# Allegro board C000PC009-HI3516DV300-CORE-A-A01.brd (continued)
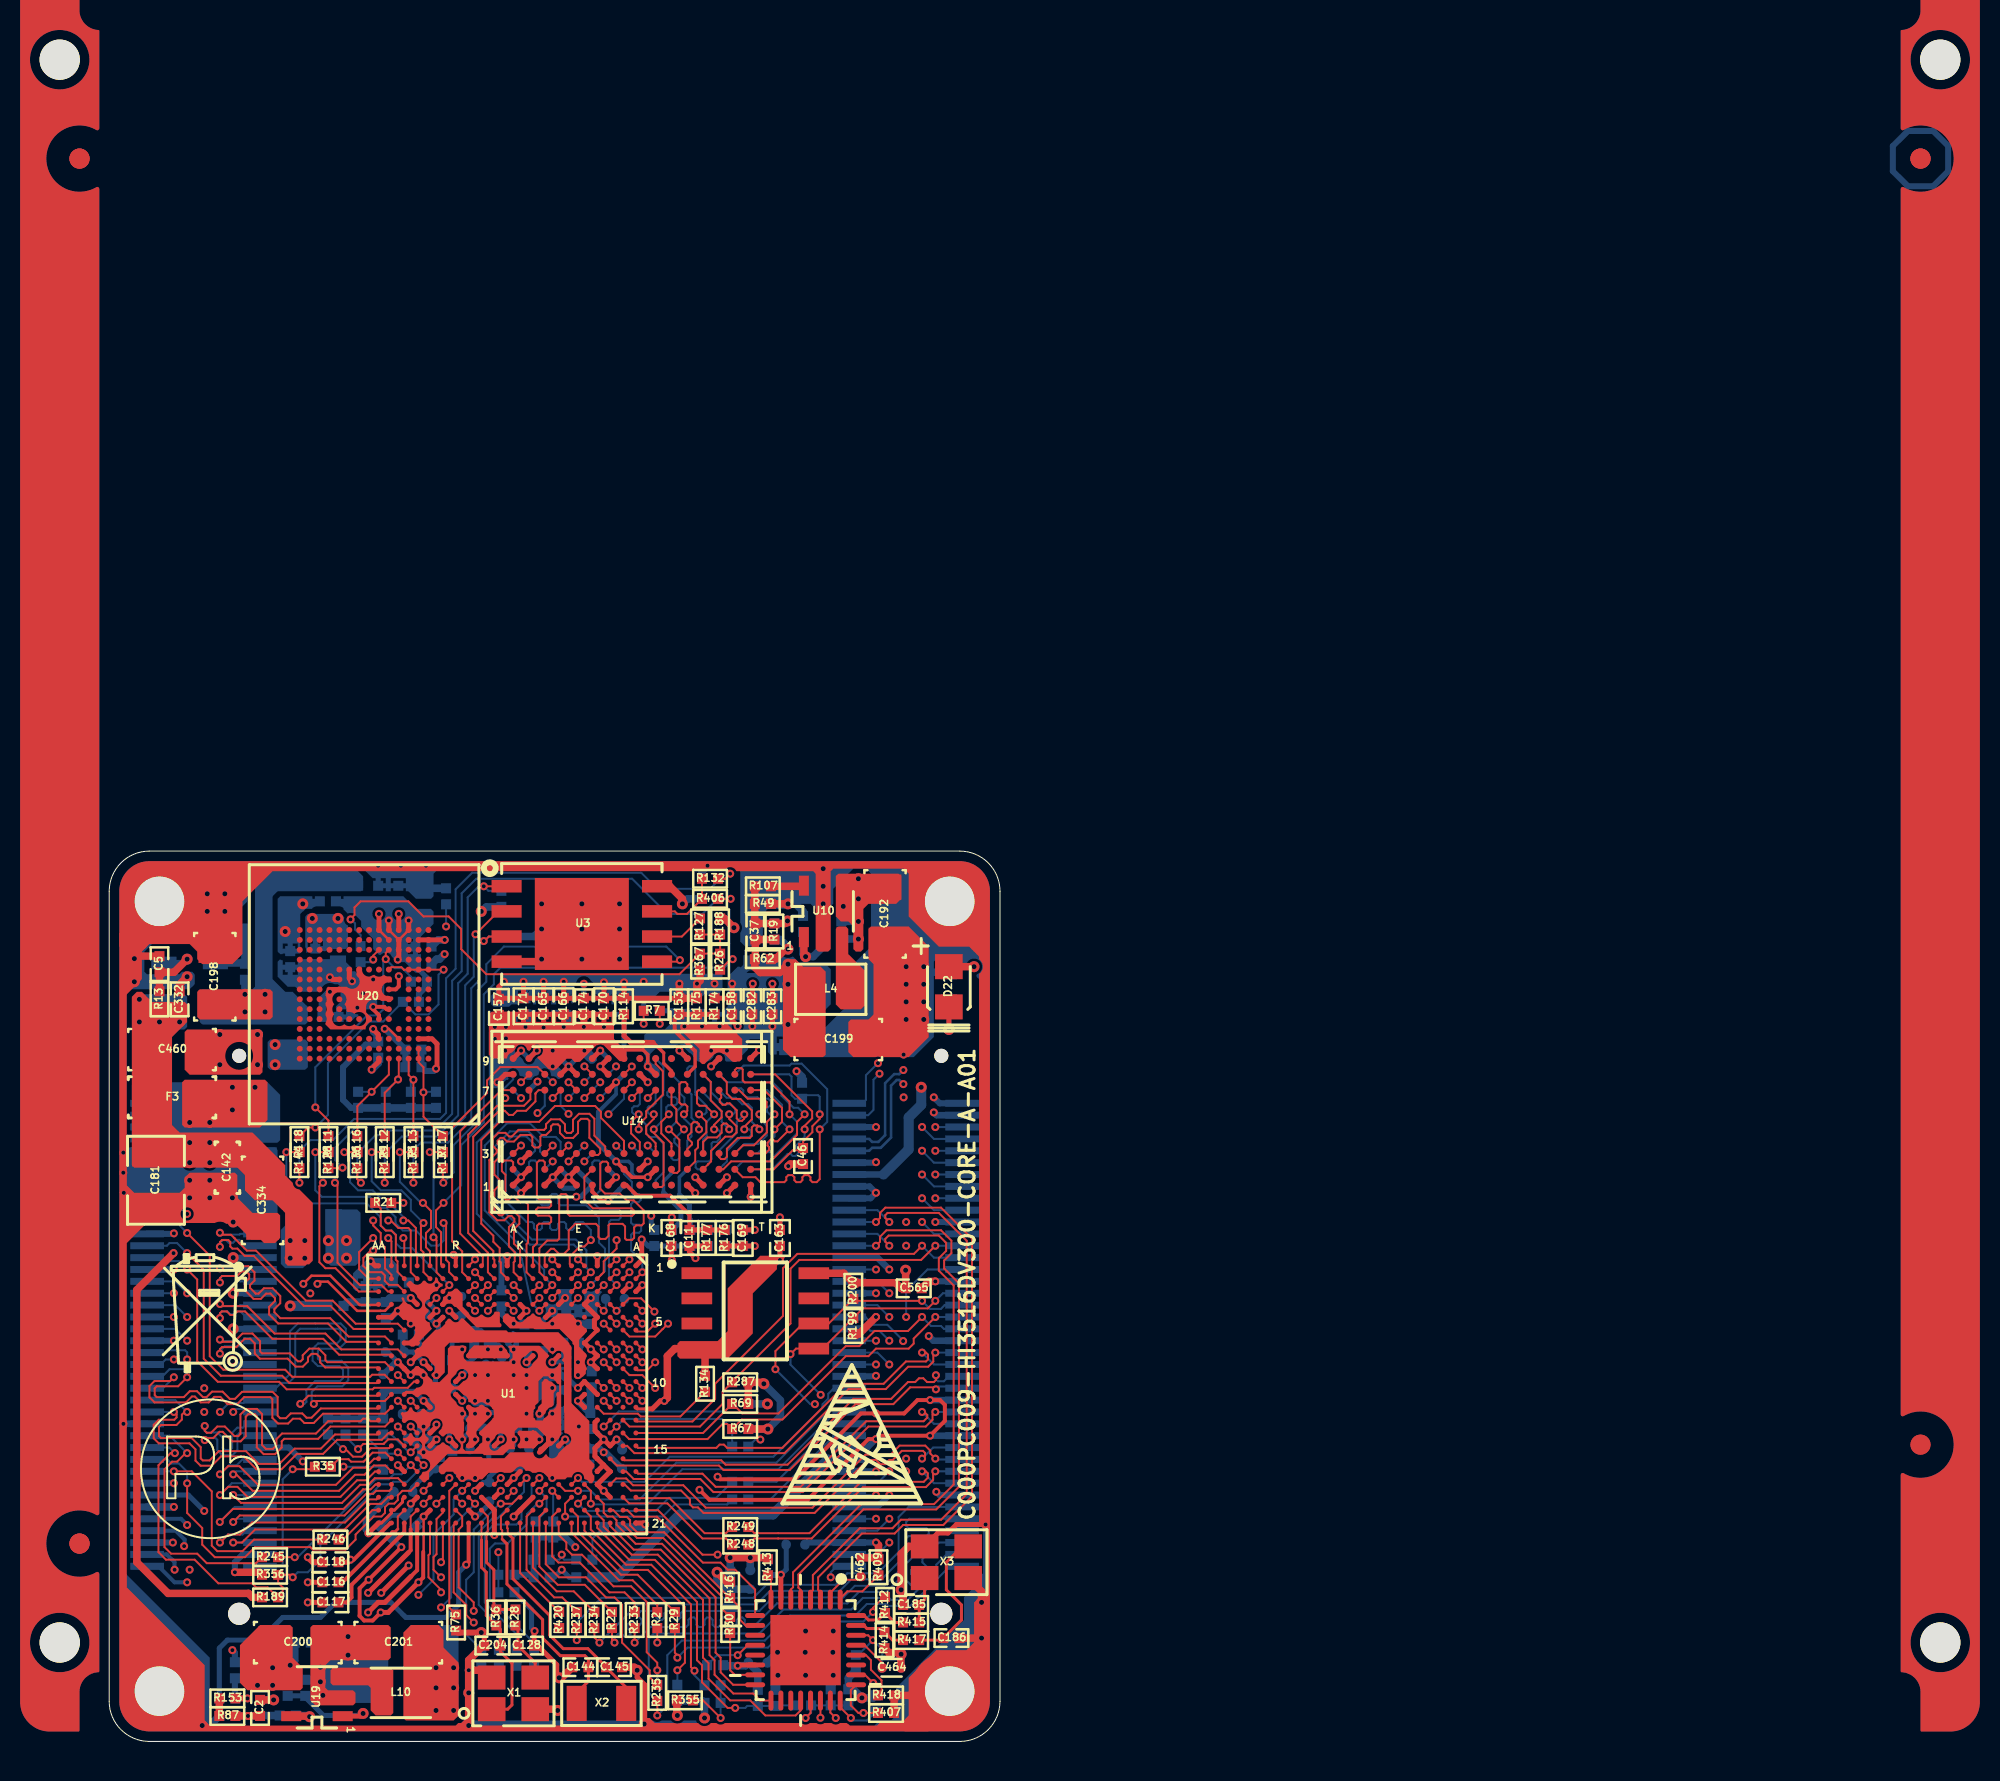
[diagram p0: board, top side]
## Routing (per net, layer and track width the routed paths; a pad name or vN(x,y) marks a point on that pad's centre or on a via; arc(x,y) is an arc through that point) (continued)
  BOTTOM w0.102: J1.46 38.81,22.05 v1(39.41,21.45) ; R195.1 22.1,11.68 22.1,12.3 v1(21.73,12.66)
I2C7_SDA: length 32.7
  TOP w0.102: v1(22.38,12.67) 22.39,12.65 U1.G19
  ART03 w0.102: v1(40.11,20.23) 39.81,19.94 39.81,18.9 38.99,18.08 36.83,18.08 36.58,18.33 35.76,18.33 34.95,17.52 34.95,13.91 34.04,13 30.57,13 30.12,13.45 28.48,13.45 25.49,10.46 22.48,10.46 22.1,10.84 22.1,11.57 22.38,11.86 v1(22.38,12.67)
  BOTTOM w0.102: R197.1 22.43,12.62 v1(22.38,12.67) ; v1(40.11,20.23) 40.11,20.26 39.31,21.06 38.59,21.06 38.2,21.45 J1.44
JTAG_TCK/SPI1_SDO: length 6.3
  BOTTOM w0.102: J1.26 36.64,16.05 33.71,13.12 R239.1
JTAG_TDI/SPI1_CSN1: length 16.1
  TOP w0.102: U1.E18 24.01,12.99 24.33,12.67 v1(24.33,12.02)
  BOTTOM w0.102: J1.28 36.7,16.65 33.81,13.76 28.96,13.76 27.18,11.98 24.37,11.98 v1(24.33,12.02)
JTAG_TDO/SPI1_SDI: length 16.4
  TOP w0.102: U1.F18 v1(23.68,13.32)
  BOTTOM w0.102: v1(23.68,13.32) 23.88,13.12 27.05,13.12 28.32,14.39 33.56,14.39 36.03,16.86 36.03,16.89 36.04,16.9 36.04,17.04 36.32,17.33 36.32,17.57 36.61,17.85 J1.32
JTAG_TMS/SPI1_CSN0: length 17.2
  TOP w0.102: v1(23.68,12.67) 23.03,12.67 U1.G18
  BOTTOM w0.102: J1.30 36.69,17.25 36.35,16.91 36.35,16.73 33.71,14.09 28.65,14.09 26.8,12.23 24.77,12.23 24.33,12.67 v1(23.68,12.67)
JTAG_TRSTN/SPI1_SCLK: length 6.4
  BOTTOM w0.102: J1.24 36.62,15.45 33.4,12.23 R238.1
LCD_RST: length 22.3
  TOP w0.102: v1(41.06,25.05) 40.65,24.64 34.76,24.64 34.04,23.92 34.04,21.5 30.61,18.08 30.61,17.31 29.46,16.17 26.68,16.17 U1.A13
  BOTTOM w0.102: v1(41.06,25.05) 41.66,24.45 J1.53
LED0_ACT: length 32.9
  TOP w0.102: U21.24 36.93,1.72 v1(37.47,1.18)
  ART03 w0.102: v1(38.74,23.85) 39.31,23.28 40,23.28 40.51,22.77 42.29,22.77 43.05,22.01 43.05,11.73 40.51,9.19 40.51,4.11 39.88,3.47 39.88,2.53 38.4,1.06 37.59,1.06 v1(37.47,1.18)
  BOTTOM w0.102: R411.1 38.28,1.06 37.59,1.06 v1(37.47,1.18) ; J1.52 v1(38.74,23.85)
LED1_LINK: length 30.5
  TOP w0.102: R407.1 v1(38.1,1.44) 37.85,1.44 37.47,1.82 37.47,2.6 U21.25
  ART03 w0.102: v1(38.1,1.44) 38.23,1.44 39.5,2.71 39.5,8.8 42.69,12 42.69,21.1 41.94,21.86 40.54,21.86 39.75,22.65 v1(39.41,22.65)
  BOTTOM w0.102: v1(39.41,22.65) 38.81,23.25 J1.50
LSADC_CH0: length 34.1
  TOP w0.102: U1.P19 v1(18.48,12.02)
  ART03 w0.102: v1(3.94,21.45) 3.48,21 3.07,21 2.46,20.39 2.46,15.99 3.3,15.15 3.91,15.15 4.55,14.52 7.37,14.52 9.02,12.87 12.32,12.87 16.26,8.93 16.26,7.28 v1(16.76,6.77)
  BOTTOM w0.102: J2.46 3.34,22.05 v1(3.94,21.45) ; v1(18.48,12.02) 17.27,10.81 17.27,7.28 v1(16.76,6.77)
LSADC_CH1: length 32.7
  TOP w0.102: U1.P18 17.83,12.67 v1(17.83,12.67)
  ART03 w0.102: v1(3.27,21.45) 3.07,21.45 2.16,20.54 2.16,14.77 2.74,14.19 7.19,14.19 8.89,12.49 12.19,12.49 14.35,10.33 14.35,8.68 v1(15.62,7.41)
  BOTTOM w0.102: v1(17.83,12.67) 17.4,12.23 17.4,11.47 16.38,10.46 16.38,8.17 v1(15.62,7.41) ; J2.44 v1(3.27,21.45)
MDCK/BOOT_SEL0: length 9.6
  TOP w0.102: R355.1 30,2.07 v1(30.89,1.18) ; U21.22 v1(35.93,1.2)
  ART03 w0.102: v1(30.89,1.18) 34.16,1.18 34.54,1.57 35.56,1.57 v1(35.93,1.2)
  BOTTOM w0.102: v1(30.89,1.18) R206.2 R33.2
MDI0+: length 30
  TOP w0.102: U21.5 34.93,7.66 34.81,7.77 34.81,8.44 38.1,11.73 41.78,11.73 42.93,12.87 42.93,23.16 42.18,23.9 42.18,24.31 42.55,24.68 42.55,25.31 42.02,25.84 39.26,25.84 38.94,25.51 38.94,25.25 v1(38.74,25.05)
  BOTTOM w0.102: v1(38.74,25.05) 38.74,25.05 J1.56
MDI0-: length 30.1
  TOP w0.102: v1(39.41,25.05) 39.2,25.25 39.2,25.4 39.37,25.57 41.91,25.57 42.23,25.25 42.28,25.2 42.28,24.79 41.91,24.42 41.91,23.79 42.66,23.05 42.66,12.98 41.67,11.99 37.99,11.99 34.55,8.55 34.55,7.79 34.43,7.67 U21.6
  BOTTOM w0.102: J1.58 38.81,25.65 v1(39.41,25.05)
MDI1+: length 31
  TOP w0.102: U21.3 35.93,7.55 35.81,7.66 35.81,8.3 38.02,10.51 39.67,10.51 40.11,10.94 42.13,10.94 43.59,12.39 43.59,25.41 42.02,26.98 39.21,26.98 38.94,26.71 38.94,26.45 v1(38.74,26.25)
  BOTTOM w0.102: J1.60 38.74,26.25 v1(38.74,26.25)
MDI1-: length 31
  TOP w0.102: v1(39.41,26.25) 39.2,26.45 39.2,26.6 39.32,26.71 41.91,26.71 43.32,25.3 43.32,12.5 42.02,11.21 40,11.21 39.56,10.77 37.91,10.77 35.55,8.41 35.55,7.65 35.43,7.53 U21.4
  BOTTOM w0.102: v1(39.41,26.25) 38.81,26.85 J1.62
MDIO: length 21.2
  TOP w0.102: U21.23 36.43,1.46 v1(36.7,1.18) ; v1(28.7,3.6) 29.08,3.98 29.08,6.8 27.21,8.67 25.99,8.67 24.01,10.65 U1.E21
  ART03 w0.102: v1(36.7,1.18) 35.81,2.07 30.23,2.07 v1(28.7,3.6)
  BOTTOM w0.102: R96.2 v1(28.7,3.6)
MIPI_RX0_CK0N/VI_DATA13: length 18.1
  TOP w0.102: U1.Y13 13.93,15.92 11.18,15.92 10.55,15.29 8.84,15.29 8.71,15.17 8.71,14.86 8.38,14.52 7.8,14.52 7.46,14.87 7.46,16.44 7.35,16.54 7.02,16.54 6.9,16.41 6.9,15.43 6.64,15.17 6.21,15.17 5.73,15.65 5.57,15.65 5.25,15.33 4.93,15.33 v1(4.83,15.23)
  BOTTOM w0.102: J2.23 6.92,15.45 6.78,15.59 6.58,15.59 6.48,15.49 6.48,14.72 6.22,14.46 5.72,14.46 5.46,14.72 5.46,15.24 5.36,15.35 4.94,15.35 v1(4.83,15.23)
MIPI_RX0_CK0P/VI_DATA12: length 17.9
  TOP w0.102: v1(4.83,15.94) 4.83,15.7 4.93,15.6 5.14,15.6 5.46,15.92 5.84,15.92 6.32,15.43 6.53,15.43 6.63,15.54 6.63,16.52 6.91,16.81 7.46,16.81 7.72,16.55 7.72,14.98 7.91,14.79 8.27,14.79 8.45,14.97 8.45,15.28 8.73,15.56 10.44,15.56 11.07,16.18 12.7,16.18 12.83,16.31 13.08,16.31 13.21,16.18 13.55,16.18 U1.AA13
  BOTTOM w0.102: J2.25 6.94,16.05 6.75,15.86 6.47,15.86 6.21,15.6 6.21,14.83 6.11,14.73 5.83,14.73 5.73,14.83 5.73,15.35 5.47,15.61 4.93,15.61 4.83,15.71 v1(4.83,15.94)
MIPI_RX0_CK1N/VI_DATA8: length 18.8
  TOP w0.102: U1.Y11 13.92,17.21 10.48,17.21 v1(10.34,17.06)
  BOTTOM w0.102: v1(10.34,17.06) 10.23,17.17 10.23,17.66 10.52,17.95 11.77,17.95 12.08,18.25 12.08,18.9 11.74,19.24 10.66,19.24 10.54,19.35 10.54,19.73 10.66,19.85 11.62,19.85 11.95,20.18 11.95,20.87 11.69,21.12 9.53,21.12 9.13,20.73 9.13,18.57 8.95,18.39 8.45,18.39 8.39,18.45 J2.33
MIPI_RX0_CK1P/VI_DATA9: length 18.6
  TOP w0.102: U1.AA11 13.54,17.47 10.06,17.47 v1(9.65,17.06)
  BOTTOM w0.102: v1(9.65,17.06) 9.86,17.06 9.96,17.16 9.96,17.77 10.41,18.22 11.66,18.22 11.81,18.36 11.81,18.79 11.63,18.97 10.54,18.97 10.27,19.24 10.27,19.84 10.55,20.12 11.51,20.12 11.68,20.29 11.68,20.76 11.58,20.86 10.52,20.86 10.41,20.86 9.64,20.86 9.4,20.62 9.4,18.46 9.06,18.12 8.68,18.12 8.41,17.85 J2.31
MIPI_RX0_D0N: length 18.4
  TOP w0.102: U1.V14 v1(15.23,15.91)
  ART03 w0.104: v1(15.23,15.91) 15.09,15.91 14.98,16.02 14.98,16.17 14.85,16.3 14.1,16.3 13.97,16.17 13.74,16.17 13.56,16.35 13.28,16.35 13.1,16.17 12.73,16.17 12.55,16.35 12.55,16.85 12.21,17.19 11.73,17.19 11.39,16.85 11.39,16.25 10.81,15.68 10.35,15.68 10.25,15.78 10.25,16.21 9.91,16.55 9.43,16.55 9.09,16.21 9.09,15.78 8.98,15.68 8.35,15.68 8.17,15.86 8.17,17.18 7.91,17.44 7.27,17.44 7.01,17.18 7.01,15.86 6.83,15.68 6.46,15.68 6.04,16.1 6.04,16.55 6.14,16.65 v1(6.26,16.65)
  BOTTOM w0.102: v1(6.26,16.65) 6.42,16.81 6.73,16.81 6.88,16.65 J2.27
MIPI_RX0_D0P: length 18.5
  TOP w0.102: U1.W14 v1(14.58,15.91)
  ART03 w0.104: v1(14.58,15.91) 14.47,16.03 14.21,16.03 14.08,15.9 12.62,15.9 12.28,16.24 12.28,16.74 12.1,16.92 11.84,16.92 11.66,16.74 11.66,16.14 10.92,15.41 10.24,15.41 9.98,15.67 9.98,16.1 9.8,16.29 9.54,16.29 9.35,16.1 9.35,15.67 9.09,15.41 8.24,15.41 7.9,15.75 7.9,17.07 7.8,17.17 7.38,17.17 7.28,17.07 7.28,15.75 6.94,15.41 6.35,15.41 5.77,15.99 5.77,16.47 v1(5.59,16.65)
  BOTTOM w0.102: J2.29 6.92,17.25 6.78,17.11 6.05,17.11 v1(5.59,16.65)
MIPI_RX0_D1N: length 19.5
  TOP w0.102: v1(15.23,17.21) 15.56,16.89 U1.V12
  ART03 w0.104: v1(15.23,17.21) 15.04,17.41 15.04,17.64 14.6,18.08 10.18,18.08 9.99,18.26 9.99,19.26 9.66,19.6 9.18,19.6 8.84,19.26 8.84,18.39 8.65,18.2 8.39,18.2 8.21,18.39 8.21,19.26 7.87,19.6 7.39,19.6 7.05,19.26 7.05,18.45 6.95,18.34 6.08,18.34 4.69,19.73 3.69,19.73 v1(3.27,19.31)
  BOTTOM w0.102: v1(3.27,19.31) 2.86,19.31 2.6,19.05 J2.36
MIPI_RX0_D1P: length 19.3
  TOP w0.102: U1.W12 v1(14.58,17.21)
  ART03 w0.104: v1(3.94,19.31) 4.09,19.46 4.58,19.46 5.97,18.08 7.06,18.08 7.32,18.34 7.32,19.15 7.5,19.33 7.76,19.33 7.94,19.15 7.94,18.28 8.28,17.94 8.76,17.94 9.1,18.28 9.1,19.15 9.29,19.33 9.54,19.33 9.73,19.15 9.73,18.15 10.07,17.81 14.49,17.81 14.77,17.53 14.77,17.41 v1(14.58,17.21)
  BOTTOM w0.102: v1(3.94,19.31) 3.94,19.67 3.84,19.77 2.96,19.77 2.85,19.65 J2.38
MIPI_RX0_D2N/VI_DATA15: length 17.8
  TOP w0.102: U1.Y14 14.11,15.59 13.77,15.25 11.52,15.25 10.8,14.53 9.48,14.53 8.7,13.76 7.44,13.76 6.79,14.41 5.65,14.41 5.18,13.94 4.62,13.94 4.36,14.19 4.36,14.76 4.06,15.07 2.51,15.07 2.25,15.32 2.25,16 2.51,16.26 3.29,16.26 3.4,16.38 3.4,16.52 3.27,16.65 v1(3.27,16.65)
  BOTTOM w0.102: J2.28 v1(3.27,16.65)
MIPI_RX0_D2P/VI_DATA14: length 17.7
  TOP w0.102: v1(3.94,16.65) 3.81,16.65 3.67,16.51 3.67,16.27 3.4,15.99 2.62,15.99 2.51,15.89 2.51,15.43 2.62,15.33 4.17,15.33 4.62,14.87 4.62,14.3 4.73,14.2 5.07,14.2 5.54,14.67 6.9,14.67 7.55,14.02 8.59,14.02 9.37,14.8 10.69,14.8 11.41,15.51 13.53,15.51 U1.AA14
  BOTTOM w0.102: J2.30 3.34,17.25 v1(3.94,16.65)
MIPI_RX0_D3N/VI_DATA10: length 18.2
  TOP w0.102: v1(3.27,18.41) 3.08,18.22 2.29,18.22 2.03,17.96 2.03,17.39 2.29,17.14 3.88,17.14 4.18,17.43 4.32,17.43 4.62,17.14 5.03,17.14 5.31,17.41 5.62,17.41 5.98,17.05 6.46,17.05 6.82,17.4 8.14,17.4 8.24,17.3 8.24,16.35 8.53,16.07 9.04,16.07 9.28,16.31 9.64,16.31 9.86,16.09 10.33,16.09 10.8,16.56 13.93,16.56 14.26,16.89 U1.Y12
  BOTTOM w0.102: J2.32 2.71,17.85 v1(3.27,18.41)
MIPI_RX0_D3P/VI_DATA11: length 18.3
  TOP w0.102: v1(3.94,18.41) 3.48,17.95 2.4,17.95 2.3,17.85 2.3,17.5 2.4,17.4 3.77,17.4 4.07,17.7 4.44,17.7 4.73,17.4 4.92,17.4 5.2,17.68 5.73,17.68 6.09,17.31 6.35,17.31 6.71,17.67 8.25,17.67 8.51,17.41 8.51,16.46 8.64,16.34 8.93,16.34 9.17,16.58 9.75,16.58 9.97,16.36 10.22,16.36 10.69,16.83 13.55,16.83 13.61,16.89 U1.AA12
  BOTTOM w0.102: J2.34 2.69,18.45 3.05,18.81 3.84,18.81 3.94,18.71 v1(3.94,18.41)
PWM0: length 37.8
  TOP w0.102: v1(18.42,6.01) 18.03,6.39 18.03,6.9 17.4,7.53 17.4,10.93 U1.R21
  ART03 w0.102: v1(3.27,22.65) 1.52,20.91 1.52,13.63 2.79,12.36 4.29,12.36 5.03,13.1 7.14,13.1 8.56,11.68 11.23,11.68 13.59,9.31 13.59,8.45 16.03,6.01 v1(18.42,6.01)
  BOTTOM w0.102: J2.48 v1(3.27,22.65)
PWM1: length 39.5
  TOP w0.102: v1(18.42,6.6) 18.42,7.03 17.65,7.79 17.65,10.71 17.83,10.89 17.83,11.37 U1.R20
  ART03 w0.102: v1(18.42,6.6) 18.36,6.6 18.16,6.39 16.1,6.39 13.96,8.54 13.96,10.34 12.19,12.11 8.76,12.11 6.99,13.88 5.38,13.88 4.17,12.67 3.02,12.67 1.83,13.86 1.83,20.67 3.81,22.65 v1(3.94,22.65)
  BOTTOM w0.102: v1(3.94,22.65) 3.34,23.25 J2.50
PWR_BUTTON: length 6.9
  TOP w0.102: v1(20.43,12.67) 20.42,12.65 U1.L19
  ART03 w0.102: v1(20.43,12.67) 20.83,12.27 20.83,10.33 21.72,9.44 v1(22.86,9.44)
  BOTTOM w0.102: 22.86,9.31 22.73,9.19 R89.2 ; 22.86,9.31 v1(22.86,9.44) ; 22.86,9.31 22.99,9.19 R25.1
PWR_EN: length 9.6
  TOP w0.102: U1.K19 20.68,12.34 20.36,12.01 v1(19.78,12.01)
  BOTTOM w0.102: v1(19.78,12.01) 19.72,12.01 18.42,10.71 18.42,8.55 18.03,8.17 18.03,5.4 R422.1
PWR_RSTN: length 6.9
  TOP w0.102: U1.M18 19.78,13.31 v1(19.78,13.32)
  ART03 w0.102: v1(19.78,13.32) 18.92,12.46 18.92,10.3 v1(19.66,9.57)
  BOTTOM w0.102: C188.2 R143.2 v1(19.66,9.57)
PWR_SEQ0: length 10.2
  TOP w0.102: U1.H19 21.74,12.03 v1(21.73,12.01)
  BOTTOM w0.102: R423.1 21.46,4.97 19.23,7.2 19.23,9.74 19.49,10.01 20.12,10.01 21.11,10.99 21.11,11.5 21.63,12.01 v1(21.73,12.01)
PWR_SEQ1: length 11.6
  TOP w0.102: v1(21.73,13.32) 21.72,13.3 U1.J18
  BOTTOM w0.102: R424.1 20.57,5.43 18.97,7.03 18.97,10.51 19.43,10.96 20.57,10.96 20.83,11.22 20.83,11.85 21.34,12.36 21.34,12.92 v1(21.73,13.32)
PWR_STARTUP: length 5.3
  TOP w0.102: R420.1 20.76,8.52 U1.K21
PWR_WAKEUP: length 10.7
  TOP w0.102: v1(21.08,13.32) 21.07,13.3 U1.K18
  BOTTOM w0.102: v1(21.08,13.32) 20.96,13.19 20.96,12.61 19.61,11.27 19.35,11.27 18.67,10.58 18.67,6.9 19.69,5.88 R421.1
RMII_CLK: length 3.2
  TOP w0.102: U21.15 31.6,3.36 31.37,3.6 R30.2
RMII_RX_DV: length 17.6
  TOP w0.102: v1(30.73,9.44) 29.97,9.44 27.72,11.69 U1.A20 ; v1(38.6,2.95) 38.18,3.36 U21.26
  ART03 w0.102: v1(30.73,9.44) 30.73,9.19 32.13,7.79 35.05,7.79 38.6,4.25 v1(38.6,2.95)
RMII_RXD0: length 9.6
  TOP w0.102: U21.9 32.63,7.67 31.62,8.68 31.24,8.68 30.88,9.04 29.99,9.04 27.67,11.36 26.5,11.36 26.17,11.69 U1.B20
RMII_RXD1: length 10.2
  TOP w0.102: U21.10 32.15,5.86 31.88,6.14 31.88,6.75 R416.1 31.34,7.26 28.03,10.57 26.66,10.57 26.31,10.92 26.31,11.18 26.15,11.35 25.81,11.35 25.46,11.69 U1.C20
RMII_TX_EN: length 17.6
  TOP w0.102: U1.D20 24.66,11.69 24.66,11.5 24.98,11.18 24.98,10.86 26.39,9.44 27.71,9.44 30,7.15 30,4.23 30.28,3.95 30.28,3.17 31.37,2.07 32.39,2.07 33.15,1.31 34.67,1.31 34.93,1.57 34.93,2.06 U21.20
RMII_TXD0: length 14.4
  TOP w0.102: U1.D19 24.98,12.02 24.98,11.56 25.17,11.37 25.44,11.37 25.63,11.17 25.63,10.95 26.59,9.99 27.92,9.99 30.63,7.28 30.63,4.49 30.89,4.23 30.89,3.5 31.52,2.86 U21.16
RMII_TXD1: length 14
  TOP w0.102: U21.17 32.89,2.06 32.54,2.42 31.53,2.42 30.58,3.37 30.58,4.11 30.33,4.36 30.33,7.23 27.86,9.69 26.5,9.69 25.31,10.89 U1.C21
RTC_XIN: length 12.3
  TOP w0.102: U1.L21 20.11,10.79 20.13,10.76 20.13,10.52
  TOP w0.152: 20.13,10.52 20.4,10.25 20.4,8.22 22.25,6.37 22.25,5.38 22.94,4.69 24.18,4.69 25.1,3.78 C145.1 26.12,2.73 X2.1
RTC_XOUT: length 12.7
  TOP w0.102: 19.85,10.22 19.85,10.67 19.79,10.74 19.79,11.37 U1.L20
  TOP w0.152: 19.85,10.22 20.09,9.98 20.09,7.96 21.89,6.15 21.89,5.22 22.78,4.33 24.03,4.33 24.21,4.16 C144.1 24.21,3.04 23.62,2.45 X2.2
SDIO0_CARD_DETECT: length 48.2
  TOP w0.102: U1.U4 v1(16.53,22.41)
  ART03 w0.102: v1(41.06,27.45) 40.96,27.35 40.36,27.35 40.24,27.23 40.24,27.09 40.13,26.97 39.96,26.97 39.84,27.09 39.84,27.23 39.72,27.35 39.55,27.35 39.43,27.23 39.43,27.09 39.31,26.97 39.14,26.97 39.03,27.09 39.03,27.23 38.91,27.35 37.72,27.35 36.96,28.11 36.96,31.26 35.09,33.13 29.91,33.13 28.32,34.71 28.32,36.49 28.12,36.69 19.51,36.69 17.88,35.07 17.88,33.04 16.99,32.15 16.99,29.4 17.4,29 17.4,25.57 16.13,24.3 16.13,22.82 v1(16.53,22.41)
  BOTTOM w0.102: v1(41.06,27.45) 41.66,26.85 J1.61
SDIO0_CARD_POWER_EN: length 47.6
  TOP w0.102: v1(13.34,25.44) 12.62,24.73 12.62,23.87 13.1,23.39 U1.AA2
  ART03 w0.102: v1(41.06,31.05) 39.8,31.05 35.18,35.68 33.32,35.68 33.02,35.98 33.02,36.24 32.46,36.8 31.83,36.8 30.86,37.76 30.23,37.76 30.1,37.89 30.1,38.52 29.51,39.11 18.82,39.11 15.62,35.91 15.62,35.09 13.98,33.45 13.98,29.38 14.3,29.06 14.3,27.93 13.72,27.35 13.72,25.82 v1(13.34,25.44)
  BOTTOM w0.102: v1(41.06,31.05) 41.66,30.45 J1.73
SDIO0_CCLK_OUT: length 42.3
  TOP w0.102: R21.2 v1(14.86,27.22)
  ART03 w0.102: v1(14.86,27.22) 14.86,29.12 15.16,29.43 15.16,32.63 15.88,33.34 15.88,34.08 16.38,34.59 16.38,35.6 18.69,37.91 28.8,37.91 29.59,37.13 30.48,37.13 31.37,36.24 31.37,35.35 32.26,34.46 33.15,34.46 33.66,34.97 35.03,34.97 38.28,31.72 38.28,30.85 39.24,29.89 41.03,29.89 v1(41.06,29.85)
  BOTTOM w0.102: J1.69 41.66,29.25 v1(41.06,29.85)
SDIO0_CCMD: length 45.7
  TOP w0.102: U1.Y1 14.26,25.28 v1(14.1,25.44)
  ART03 w0.102: v1(41.73,28.65) 41.13,29.25 39.37,29.25 37.97,30.65 37.97,31.59 34.98,34.59 33.78,34.59 33.3,34.1 31.34,34.1 30.84,34.61 30.84,35.12 30.35,35.6 30.35,36.36 29.85,36.87 29.46,36.87 28.73,37.61 18.9,37.61 16.89,35.6 16.89,33.27 15.49,31.87 15.49,29.12 15.88,28.74 15.88,27.85 15.37,27.35 15.37,27.09 14.99,26.71 14.71,26.71 14.48,26.48 14.48,25.82 v1(14.1,25.44)
  BOTTOM w0.102: J1.67 v1(41.73,28.65)
SDIO0_CDATA0: length 46.7
  TOP w0.102: v1(14.86,25.44) 14.91,25.39 U1.W1
  ART03 w0.102: v1(14.86,25.44) 15.37,25.95 15.37,26.46 15.62,26.71 16,26.71 16.26,26.97 16.26,29.12 15.75,29.63 15.75,31.66 17.27,33.19 17.27,35.47 19.1,37.3 28.52,37.3 29.46,36.36 29.46,35.73 29.85,35.35 29.85,34.08 30.23,33.7 33.66,33.7 34.21,34.26 34.85,34.26 37.59,31.52 37.59,29.89 37.78,29.7 37.95,29.7 38.1,29.85 38.27,29.85 38.39,29.73 38.39,29.56 38.24,29.41 38.24,29.24 38.83,28.65 v1(41.06,28.65)
  BOTTOM w0.102: J1.65 41.66,28.05 v1(41.06,28.65)
SDIO0_CDATA1: length 47
  TOP w0.102: v1(14.1,26.33) 14.22,26.33 14.61,25.95 15.11,25.95 15.23,25.83 15.23,23.71 U1.V2
  ART03 w0.102: v1(41.73,29.85) 41.06,30.52 39.9,30.52 35.08,35.35 32.64,35.35 32.12,35.87 32.12,36.38 31.98,36.52 31.6,36.52 30.61,37.51 29.72,37.51 29.21,38.01 29.21,38.52 28.96,38.78 18.92,38.78 16,35.86 16,34.71 14.99,33.7 14.99,33.06 14.3,32.38 14.3,29.43 14.55,29.18 14.55,27.42 14.1,26.97 v1(14.1,26.33)
  BOTTOM w0.102: J1.71 v1(41.73,29.85)
SDIO0_CDATA2: length 49.2
  TOP w0.102: U1.W3 14.57,23.07 14.12,23.07 13.92,23.28 13.92,23.56 13.77,23.71 13.16,23.71 12.84,24.03 12.84,24.44 13.21,24.81 v1(13.34,24.81)
  ART03 w0.102: v1(41.73,27.45) 41.08,28.11 38.86,28.11 37.27,29.71 37.27,31.38 35.2,33.44 30.1,33.44 29.46,34.08 29.46,35.09 28.58,35.98 28.58,36.62 28.19,37 19.38,37 17.58,35.2 17.58,33.11 16.64,32.17 16.64,29.51 16.51,29.38 16.51,26.2 15.11,24.81 v1(13.34,24.81)
  BOTTOM w0.102: J1.63 v1(41.73,27.45)
SDIO0_CDATA3: length 47.1
  TOP w0.102: v1(13.34,26.33) 13.34,26.08 13.72,25.7 13.72,25.19 13.93,24.97 13.93,23.91 14.26,23.58 U1.Y2
  ART03 w0.102: v1(41.73,31.05) 41.27,31.51 39.78,31.51 34.54,36.74 33.02,36.74 32.64,37.13 32,37.13 30.99,38.14 30.99,38.4 29.36,40.02 21.56,40.02 20.96,39.41 18.67,39.41 15.24,35.98 15.24,35.22 13.67,33.65 13.67,28.82 13.54,28.69 13.54,27.55 13.34,27.35 v1(13.34,26.33)
  BOTTOM w0.102: J1.75 v1(41.73,31.05)
SDIO1_CCLK_OUT: length 24
  TOP w0.102: v1(25.53,4.99) 25.4,5.12 R22.2
  BOTTOM w0.102: v1(25.53,4.99) 25.53,5.25 25.72,5.44 25.89,5.44 26.04,5.29 26.21,5.29 26.33,5.41 26.33,5.58 26.18,5.73 26.18,5.9 26.3,6.02 26.46,6.02 26.61,5.87 26.78,5.87 26.9,5.99 26.9,6.16 26.75,6.31 26.75,6.47 26.87,6.6 27.52,6.6 27.64,6.48 27.64,6.26 27.76,6.14 27.93,6.14 28.05,6.26 28.05,6.48 28.17,6.6 28.34,6.6 28.46,6.48 28.46,6.26 28.58,6.14 28.74,6.14 28.86,6.26 28.86,6.48 28.98,6.6 32.84,6.6 33.53,7.28 37.08,7.28 37.67,7.87 39.14,7.87 40.75,9.48 40.75,9.62 40.62,9.76 40.62,9.92 40.74,10.04 40.9,10.04 41.1,9.84 41.27,9.84 42.08,10.65 J1.7
SDIO1_CCMD: length 24.7
  TOP w0.102: v1(24.77,4.99) 24.51,5.25 R234.2
  BOTTOM w0.102: J1.9 40.42,11.25 40.26,11.09 40.26,10.9 40.38,10.78 41.28,10.78 41.4,10.67 41.4,10.5 41.28,10.38 40.38,10.38 40.26,10.26 40.26,9.44 39.01,8.19 37.49,8.19 36.91,7.61 33.38,7.61 32.69,6.93 26.7,6.93 v1(24.77,4.99)
SDIO1_CDATA0: length 24.1
  TOP w0.102: R233.2 v1(26.54,4.99)
  BOTTOM w0.102: J1.5 41.91,10.05 41.08,9.22 41.08,9.05 41.34,8.79 41.34,8.62 41.22,8.5 41.06,8.5 40.79,8.76 40.62,8.76 40.5,8.64 40.5,8.48 40.77,8.21 40.77,8.04 40.65,7.93 40.48,7.93 40.13,8.28 39.98,8.28 39.26,7.56 37.87,7.56 37.29,6.98 33.73,6.98 32.54,5.78 32.22,5.78 32.11,5.9 32.11,6.15 31.99,6.26 31.82,6.26 31.7,6.15 31.7,5.9 31.58,5.78 31.41,5.78 31.29,5.9 31.29,6.15 31.17,6.26 31.01,6.26 30.89,6.15 30.89,5.9 30.77,5.78 30.6,5.78 30.48,5.9 30.48,6.15 30.36,6.26 30.19,6.26 30.07,6.15 30.07,5.9 29.95,5.78 29.79,5.78 29.67,5.9 29.67,6.15 29.55,6.26 29.38,6.26 29.26,6.15 29.26,5.9 29.14,5.78 27.33,5.78 v1(26.54,4.99)
SDIO1_CDATA1: length 20.8
  TOP w0.102: v1(27.69,1.31) R235.2
  BOTTOM w0.102: v1(27.69,1.31) 27.99,1.62 28.01,1.62 28.19,1.8 28.19,4.36 28.93,5.1 33.12,5.1 34.39,6.37 37.69,6.37 38.27,6.95 39.27,6.95 39.37,6.85 40.46,6.85 42.47,8.85 J1.1
SDIO1_CDATA2: length 21.2
  BOTTOM w0.102: R236.2 27.25,2.48 27.25,5.2 27.51,5.45 32.84,5.45 34.06,6.67 37.49,6.67 38.07,7.25 39.4,7.25 39.5,7.15 40.34,7.15 41.78,8.6 41.78,8.93 42.3,9.45 J1.3
SDIO1_CDATA3: length 24.4
  TOP w0.102: R237.2 v1(23.62,5.12)
  BOTTOM w0.102: v1(23.62,5.12) 23.62,6.01 24.87,7.26 32.54,7.26 33.2,7.92 36.7,7.92 37.28,8.5 38.81,8.5 39.88,9.57 39.88,11.34 40.39,11.85 J1.11
SENSOR0_CLK: length 13.2
  TOP w0.102: v1(3.94,14.57) 3.86,14.57 3.43,14.14 3.17,14.14 2.79,13.76 2.79,9.82 3.12,9.49 4.45,9.49 4.93,9.01 7.42,9.01 R245.1
  BOTTOM w0.102: J2.24 3.06,15.45 v1(3.94,14.57)
SENSOR0_RSTN/BOOT_SEL1: length 26
  TOP w0.102: v1(15.88,13.96) 15.88,13.96 U1.V16 ; v1(3.32,14.57) 3.1,14.57 2.49,13.96 2.49,9.57 2.87,9.19 4.32,9.19 5.51,7.99 7.21,7.99 7.42,7.79 8,7.79 8.51,7.28 R189.2 8.76,7.51 8.76,7.79 8.53,8.02 R356.1 9.14,8.42 v1(9.27,8.3)
  BOTTOM w0.102: v1(3.32,14.57) 3.04,14.85 J2.22 ; v1(15.88,13.96) 15.04,13.12 14.35,13.12 14.22,13 13.72,13 10.67,9.95 10.67,9.19 10.03,8.55 9.53,8.55 v1(9.27,8.3)
SFC_CLK: length 2.5
  TOP w0.102: R127.2 28.93,40.68 U3.6
SFC_CSN: length 22.7
  TOP w0.102: v1(12.71,28.24) 12.54,28.41 R136.2 ; U3.1 v1(18.92,43.22)
  BOTTOM w0.102: R192.2 19.15,42.99 v1(18.92,43.22) 18.67,43.22 18.11,42.66 18.11,38.8 17.63,38.32 17.63,31.64 16.87,30.88 14.03,30.88 13.81,30.65 13.46,30.65 12.54,29.72 12.54,28.41 v1(12.71,28.24)
SFC_HOLD_IO3: length 35.4
  TOP w0.102: v1(31.39,42.59) R406.2 ; R128.2 11.76,28.97 v1(11.79,29)
  BOTTOM w0.102: v1(31.39,42.59) R406.2 30.73,42.59 29.97,41.82 28.19,41.82 26.42,43.6 18.54,43.6 17.81,42.87 17.81,38.93 17.32,38.45 17.32,31.72 16.76,31.16 12.57,31.16 11.43,30.01 11.43,29.38 11.79,29.02 v1(11.79,29)
SFC_MISO_IO1: length 18.5
  TOP w0.102: U3.2 19.66,41.95 v1(18.5,40.8) ; v1(13.92,28.24) R129.2
  BOTTOM w0.102: v1(13.92,28.24) 13.92,29.71 14.78,30.57 16.99,30.57 17.98,31.56 17.98,38.22 18.42,38.65 18.42,40.71 v1(18.5,40.8)
SFC_MOSI_IO0: length 24.3
  TOP w0.102: U3.5 28.75,39.41 v1(28.83,39.49) ; R137.2 16.85,28.26 v1(16.88,28.24)
  BOTTOM w0.102: v1(16.88,28.24) 17.4,28.76 17.4,30.14 18.62,31.36 18.62,37.96 19.05,38.4 19.05,39.28 19.94,40.17 28.14,40.17 v1(28.83,39.49)
SFC_WP_IO2: length 17.3
  TOP w0.102: v1(15.37,28.24) R135.2 ; v1(18.92,40.45) 18.95,40.45 19.18,40.68 U3.3
  BOTTOM w0.102: R65.1 19.18,40.68 18.95,40.45 v1(18.92,40.45) 18.72,40.25 18.72,38.5 18.29,38.07 18.29,31.44 17.12,30.27 15.75,30.27 15.37,29.89 v1(15.37,28.24)
SPI0_CSN/I2C1_SCL: length 32.8
  TOP w0.102: v1(15.23,14.61) 15.23,14.62 U1.V15
  ART03 w0.102: v1(15.23,14.61) 15.65,15.03 16.13,15.03 16.27,14.88 22.75,14.88 24.51,13.12 25.98,13.12 27.63,14.77 33.63,14.77 33.73,14.88 33.73,18 35.98,20.25 v1(38.74,20.25)
  BOTTOM w0.102: R208.2 14.25,15.51 15.15,14.61 v1(15.23,14.61) ; J1.40 v1(38.74,20.25)
SPI0_SCLK/I2C0_SCL: length 39.7
  ART03 w0.102: v1(11.84,13.88) 11.84,13.86 12.65,13.05 16.37,13.05 17.02,13.7 22.53,13.7 22.78,13.44 22.78,11.95 22.35,11.52 22.35,11.09 22.73,10.71 25.2,10.71 28.24,13.76 34.29,13.76 34.65,14.11 34.65,17.64 36.05,19.05 v1(38.74,19.05)
  BOTTOM w0.102: J1.36 v1(38.74,19.05) ; R247.1 13.69,13.88 v1(11.84,13.88)
SPI0_SDI/I2C1_SDA: length 41.7
  TOP w0.102: U1.W15 14.91,14.94 14.58,15.26 14.09,15.26 13.87,15.04 13.86,15.04 13.85,15.04 12.84,15.04 v1(12.57,14.77)
  ART03 w0.102: v1(39.41,20.25) 38.98,19.83 35.94,19.83 34.04,17.92 34.04,14.54 33.93,14.44 27.84,14.44 24.87,11.47 23.62,11.47 23.32,11.78 23.32,13.81 22.64,14.49 16.94,14.49 16.04,13.58 13.76,13.58 v1(12.57,14.77)
  BOTTOM w0.102: R207.2 11.94,15.41 v1(12.57,14.77) ; v1(39.41,20.25) 38.91,20.75 38.45,20.75 38.35,20.85 J1.42
SPI0_SDO/I2C0_SDA: length 43.7
  TOP w0.102: U1.Y15 14.26,14.94 14.14,14.82 13.21,14.82 12.78,14.39 12.32,14.39 11.94,14.77 v1(11.81,14.77)
  ART03 w0.102: v1(11.81,14.77) 13.27,13.31 16.21,13.31 16.95,14.06 22.66,14.06 23.06,13.66 23.06,11.93 22.66,11.52 22.66,11.17 22.86,10.96 24.91,10.96 28.02,14.08 34.1,14.08 34.34,14.32 34.34,17.77 36.04,19.47 38.99,19.47 v1(39.41,19.05)
  BOTTOM w0.102: v1(11.81,14.77) 11.07,15.51 R204.2 ; v1(39.41,19.05) 38.81,19.65 J1.38
SVB_PWM: length 20.5
  TOP w0.203: U1.P21 18.16,9.05 v1(18.03,8.93)
  BOTTOM w0.254: R203.1 5.56,4.72 5.97,5.12 7.62,5.12 8.76,6.26 10.67,6.26 11.43,7.03 14.22,7.03 14.99,6.26 17.02,6.26 17.65,6.9 17.65,8.55 v1(18.03,8.93)
SYS_RSTN_OUT: length 37.7
  TOP w0.102: R144.2 v1(9.61,28.24) ; v1(31.37,43.86) 31.12,43.6 R132.2
  BOTTOM w0.102: v1(31.37,43.86) 31.12,43.6 R132.2 30.76,43.5 30.35,43.09 27.69,43.09 26.87,43.91 18.34,43.91 17.5,43.07 17.5,39.06 17.02,38.57 17.02,31.77 16.71,31.46 12.37,31.46 11.3,30.39 10.16,30.39 9.61,29.84 v1(9.61,28.24)
TEST_MODE: length 6.9
  TOP w0.102: U1.R18 17.18,12.66 17.18,6.76 R75.1
TP_INT: length 23
  TOP w0.102: v1(41.73,25.05) 41.02,24.34 34.86,24.34 34.42,23.89 34.42,21.12 31.47,18.18 R287.2 30.99,17.67 30.99,17.06 29.85,15.92 26.28,15.92 U1.B13
  BOTTOM w0.102: J1.55 v1(41.73,25.05)
TP_RST: length 33.2
  TOP w0.102: U1.C13 v1(24.98,15.91)
  ART03 w0.102: v1(24.98,15.91) 25.36,16.3 25.78,16.3 26.54,15.54 32.51,15.54 32.79,15.82 32.79,17.34 33.02,17.57 33.4,17.57 33.53,17.69 33.53,18.15 38.23,22.85 38.23,25.19 38.74,25.7 40.51,25.7 v1(41.06,26.25)
  BOTTOM w0.102: v1(41.06,26.25) 41.66,25.65 J1.57 ; R198.2 31.09,16.68 25.75,16.68 v1(24.98,15.91)
UART0_RXD: length 27.7
  TOP w0.102: U1.U21 16.21,9.49 16.13,9.41 16.13,8.3 16.76,7.66 v1(16.76,7.53)
  ART03 w0.102: v1(36.45,8.3) 36.32,8.3 34.75,9.87 30.65,9.87 26.71,5.93 19.69,5.93 18.59,7.03 17.27,7.03 v1(16.76,7.53)
  BOTTOM w0.102: v1(36.45,8.3) 36.45,8.55 36.75,8.85 J1.2
UART0_TXD: length 31.6
  TOP w0.102: v1(16.76,8.3) 16.38,8.68 16.38,9.31 16.54,9.47 16.54,11.24 16.86,11.57 U1.T20
  ART03 w0.102: v1(39.41,10.05) 38.92,9.57 37.59,9.57 36.93,10.23 30.5,10.23 26.55,6.28 19.73,6.28 18.72,7.28 17.78,7.28 v1(16.76,8.3)
  BOTTOM w0.102: J1.4 38.81,9.45 v1(39.41,10.05)
UART1_CTSN/UART4_TXD: length 30.7
  TOP w0.102: U1.U19 v1(15.88,12.02)
  ART03 w0.102: v1(38.74,12.45) 37.59,11.31 29.71,11.31 25.7,7.3 19.95,7.3 19.06,8.18 18.15,8.18 17.67,8.66 17.67,9.58 16.92,10.33 16.92,12.21 16.74,12.39 16.25,12.39 v1(15.88,12.02)
  BOTTOM w0.102: J1.14 v1(38.74,12.45)
UART1_RTSN/UART4_RXD: length 32
  TOP w0.102: U1.U18 v1(15.88,12.67)
  ART03 w0.102: v1(39.41,13.65) 38.8,13.05 38.53,13.05 37.15,11.67 29.48,11.67 25.45,7.64 20.05,7.64 17.17,10.52 17.17,12.46 16.97,12.67 v1(15.88,12.67)
  BOTTOM w0.102: v1(39.41,13.65) 38.81,13.05 J1.16
UART1_RXD: length 30.1
  TOP w0.102: U1.T21 16.86,9.15 v1(16.76,9.06)
  ART03 w0.102: v1(39.41,11.25) 38.74,10.59 30.36,10.59 26.39,6.62 19.82,6.62 18.9,7.53 17.91,7.53 17.15,8.3 17.15,8.68 v1(16.76,9.06)
  BOTTOM w0.102: v1(39.41,11.25) 38.81,10.65 J1.8
UART1_TXD: length 29.5
  TOP w0.102: v1(16.53,12.02) 16.86,12.34 U1.T19
  ART03 w0.102: v1(38.74,11.25) 38.43,10.95 29.95,10.95 25.96,6.96 19.91,6.96 19.05,7.81 18.01,7.81 17.4,8.42 17.4,9.06 16.53,9.93 v1(16.53,12.02)
  BOTTOM w0.102: J1.10 v1(38.74,11.25)
UPDATE_MODE: length 41.8
  ART03 w0.102: v1(32.89,15.26) 32.79,15.15 27.18,15.15 25.4,13.38 24.64,13.38 23.62,14.39 23.62,15.28 23.27,15.64 16.23,15.64 15.95,15.36 11.63,15.36 11.1,14.82 4.67,14.82 3.96,15.54 3.43,15.54 2.79,16.17 2.79,20.29 3.12,20.62 3.57,20.62 v1(3.94,20.25)
  BOTTOM w0.102: J2.42 3.34,20.85 v1(3.94,20.25) ; R18.2 32.64,15.26 v1(32.89,15.26)
UPDATE_MODE_N: length 7.6
  TOP w0.102: U1.C14 v1(25.63,15.91)
  BOTTOM w0.102: v1(25.63,15.91) 26.01,16.3 30.96,16.3 R165.2 R18.1
USB_DM: length 66
  TOP w0.13: U1.AA4 13.58,22.06 12.65,22.06 11.18,23.54 10.22,23.54 v1(9.81,23.13)
  ART03 w0.152: v1(40.12,33.93) 39.92,33.74 39.83,33.74 39.67,33.89 39.67,34.92 38.35,36.24 38.35,37.7 35.12,40.94 33.15,40.94 31.99,42.09 30.47,42.09 29.4,43.16 19.93,43.16 19.54,42.76 13.39,42.76 12.76,42.14 12.76,41.45 10.15,38.83 10.15,32.99 8.09,30.93 8.09,24.22 8.77,23.54 9.8,23.54 9.95,23.38 9.95,23.27 v1(9.81,23.13)
  BOTTOM w0.13: v1(40.12,33.93) 39.91,33.73 39.66,33.73 39.2,33.27 39.2,30.65 38.85,30.3 38.54,30.3 38.39,30.45 J1.74
USB_DP: length 66.1
  TOP w0.13: U1.Y4 13.93,21.76 13.71,21.76 13.71,21.76 12.52,21.76 11.05,23.24 10.63,23.24 v1(10.52,23.13)
  ART03 w0.152: v1(10.52,23.13) 10.27,23.37 10.27,23.52 9.93,23.85 8.9,23.85 8.41,24.35 8.41,24.9 8.64,25.13 8.64,25.51 8.41,25.74 8.41,26.12 8.64,26.35 8.64,26.73 8.41,26.96 8.41,27.34 8.64,27.57 8.64,27.95 8.41,28.18 8.41,30.8 10.46,32.86 10.46,38.7 13.08,41.32 13.08,42.01 13.52,42.45 19.67,42.45 20.07,42.84 29.27,42.84 30.34,41.77 31.86,41.77 33.02,40.62 34.99,40.62 38.04,37.57 38.04,36.11 39.36,34.78 39.36,33.76 39.7,33.42 39.92,33.42 v1(40.12,33.22)
  BOTTOM w0.13: v1(40.12,33.22) 39.91,33.43 39.78,33.43 39.5,33.15 39.5,30.52 38.98,30 38.54,30 38.39,29.85 J1.72
USB_OVRCUR: length 53.8
  TOP w0.102: U1.AA3 12.61,22.74 11.43,23.92 10.92,23.92 10.62,24.22 10.62,28.06 v1(10.8,28.24)
  ART03 w0.102: v1(38.84,34.28) 38.84,34.48 34.54,38.78 33.4,38.78 31.83,40.35 30.86,40.35 29.84,41.37 27.18,41.37 26.69,41.85 20.93,41.85 20.57,41.49 18.16,41.49 17.73,41.93 16.36,41.93 14.99,40.55 13.21,40.55 11.56,38.9 11.56,30.78 11.05,30.27 11.05,28.49 v1(10.8,28.24)
  BOTTOM w0.102: v1(38.84,34.28) 38.23,33.67 38.23,32.43 38.05,32.25 J1.80
